# KiCad board Amber.kicad_pcb (continued)
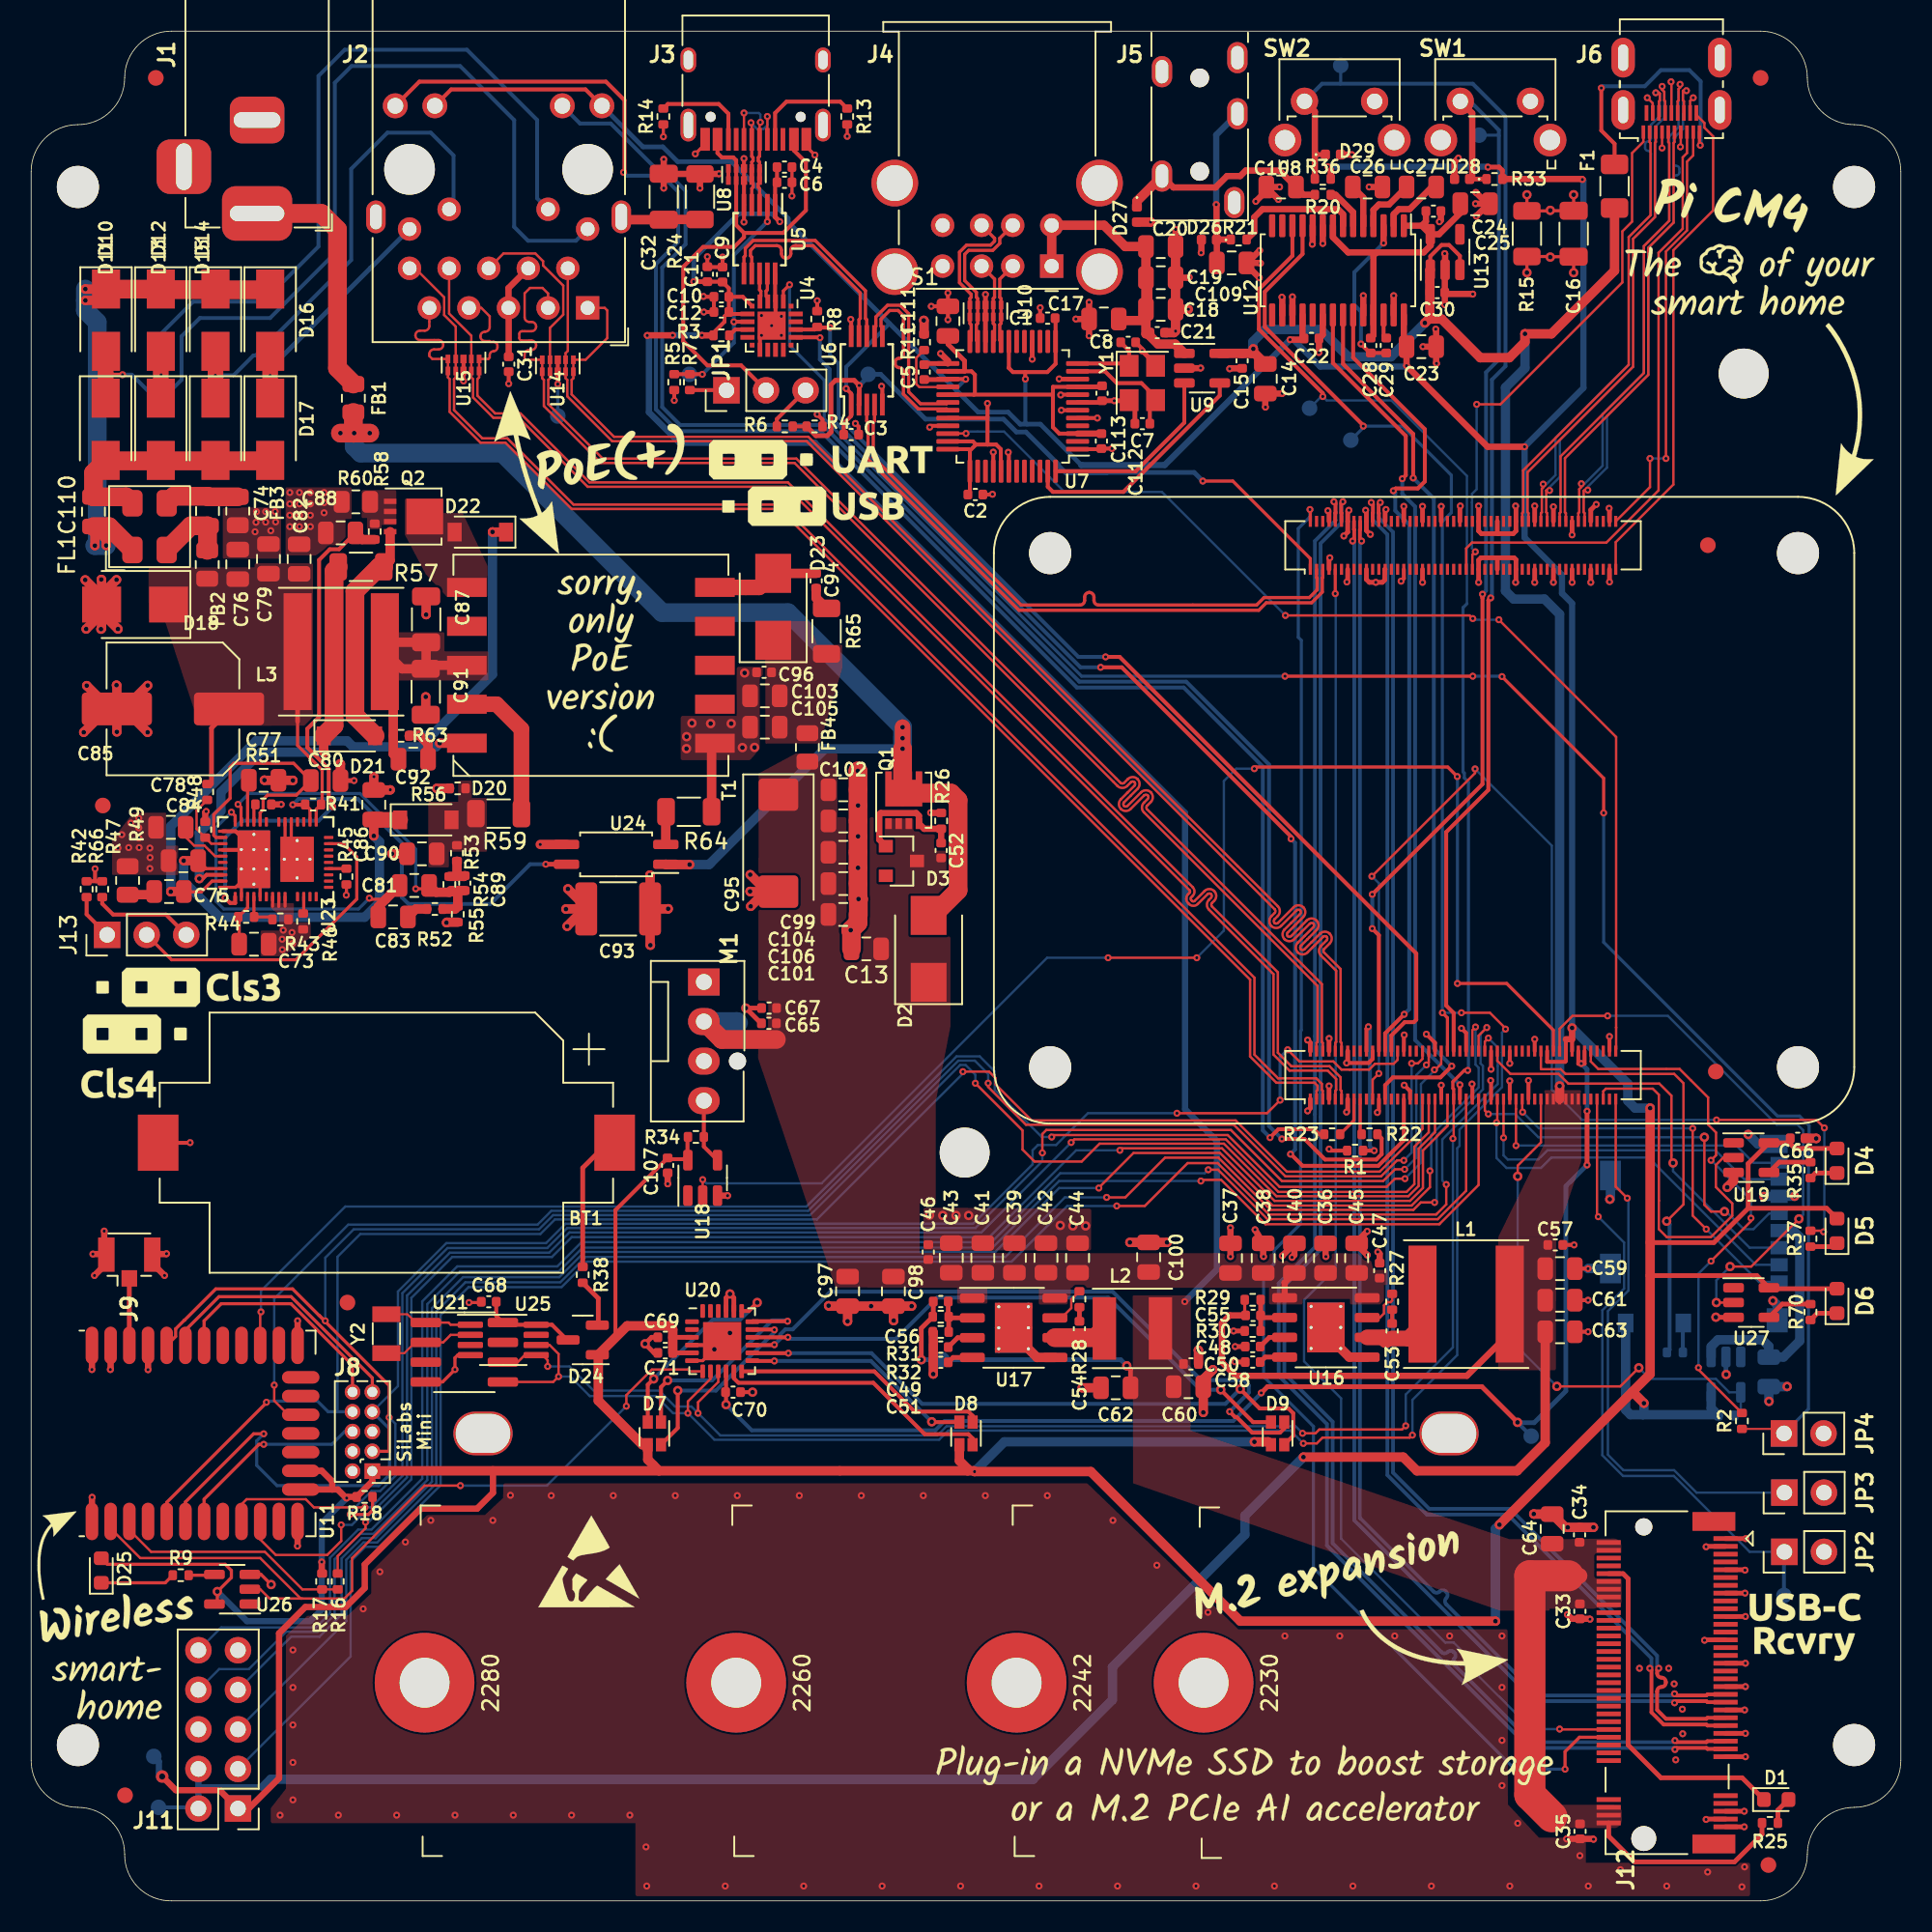
[diagram p0: board, top side]
## Library data of the parts
BT1 = -: Manufacturer: Keystone; PartNumber: 1060
C16 C32 C55 C56 J8 R1 R25 R34 R39 = -: Config: DNP
C22-C29 C108 C109 R20 R21 = -: Config: +Audio
C52 R26 = -: Config: -PoE
C65 C67 C107 = -: Config: +Fan
C66 R35 R37 R70 = -: Config: +RPiLED
C69-C71 = -: Config: +RGBLEDs
C72 R40 = -: Config: +SDCard
C73-C84 C86-C94 C96 C99 C101-C106 C110 R41-R49 R51-R59 R63-R66 = -: Config: +PoE
C85 = -: Config: +PoE; Manufacturer: Nichicon; PartNumber: UCD1K470MNL1GS
C95 = -: Config: +PoE; Manufacturer: KEMET; PartNumber: T491X107K025AT
D1 = -: Config: DNP; Manufacturer: Lite-On; PartNumber: LTST-C191TBKT
D2 D10-D18 D23 = -: Config: +PoE; Manufacturer: Diodes Incorporated
D3 = -: Config: -PoE; Manufacturer: ON Semiconductor
D4 = -: Config: +RPiLED; Manufacturer: Everlight Elec; PartNumber: 19-217/R6C-AL1M2VY/3T
D5 = -: Config: +RPiLED; Manufacturer: Everlight Elec; PartNumber: 19-217/GHC-YR1S2/3T
D6 = -: Config: +RPiLED; Manufacturer: Everlight Elec; PartNumber: 19-213/Y2C-CQ2R2L/3T(CY)
D7-D9 = -: Config: +RGBLEDs; Manufacturer: Lite-On; PartNumber: C19HE1WT
D20-D22 = -: Config: +PoE; Manufacturer: STMicroelectronics
D24 = -: Manufacturer: Diodes Incorporated
D25 = -: Config: +RadioLED; Manufacturer: Everlight Elec; PartNumber: 19-217/BHC-ZL1M2RY/3T
D26 D27 = -: Config: +Audio; Manufacturer: Texas Instruments; PartNumber: TPD1E10B09QDPYRQ1
D28 D29 = -: Manufacturer: Texas Instruments; PartNumber: TPD1E10B09QDPYRQ1
F1 = -: Config: +HDMI; Manufacturer: Bel Fuse; PartNumber: 0ZCJ0010FF2E
FB1 = -: Manufacturer: Würth Elektronik; PartNumber: 742792031
FB2-FB4 = -: Config: +PoE; Manufacturer: Würth Elektronik; PartNumber: 742792031
FL1 = -: Config: +PoE; Manufacturer: Murata Electronics; PartNumber: DLW5BTM102SQ2
J1 = -: Manufacturer: CUI Devices; PartNumber: PJ-002A
J2 = -: Manufacturer: LINK-PP; PartNumber: LPJG0926HENL
J3 = -: Manufacturer: HRO; PartNumber: TYPE-C-31-M-12
J4 = -: Manufacturer: Molex; PartNumber: 67298-4090
J5 = -: Config: +Audio; Manufacturer: XKB Connectivity; PartNumber: PJ-3270
J6 = -: Config: +HDMI; Manufacturer: Molex; PartNumber: 0467651301
J7 = -: Config: +SDCard; Manufacturer: Molex; PartNumber: 104031-0811
J9 = -: Config: DNP; Manufacturer: Linx Technologies; PartNumber: CONUFL001-SMD-T
J11 = -: Manufacturer: Adam Tech; PartNumber: PH2-10-UA
J12 = -: Manufacturer: TE; PartNumber: 1-2199119-5
J13 = -: Config: +PoE; Manufacturer: Adam Tech; PartNumber: PH1-03-UA
JP1 = -: Manufacturer: Adam Tech; PartNumber: PH1-03-UA
JP2 = -: Manufacturer: Adam Tech; PartNumber: PH1-02-UA
JP3 JP4 = -: Config: DNP; Manufacturer: Adam Tech; PartNumber: PH1-02-UA
L1 = -: Manufacturer: Taiyo Yuden; PartNumber: NRS8030T3R3MJGJ
L2 = -: Manufacturer: Taiyo Yuden; PartNumber: NRS5040T2R2NMGJ
L3 = -: Config: +PoE; Manufacturer: Taiyo Yuden; PartNumber: NRS8030T3R3MJGJ
M1 = -: Config: +Fan; Manufacturer: Molex; PartNumber: 47053-1000
Q1 = -: Config: -PoE; Manufacturer: Diodes Incorporated
Q2 = -: Config: +PoE; Manufacturer: Infineon Technologies
R9 = -: Config: +RadioLED
R60 = -: Characteristics: 0.1 Watt; Config: +PoE
SW1 = -: Manufacturer: C&K; PartNumber: PTS645VM83-2 LFS
SW2 = -: Manufacturer: C&K; PartNumber: PTS645VK58-2 LFS
T1 = -: Manufacturer: Pulse Electronics
U1 = -: Manufacturer: Raspberry Pi Foundation; PartNumber: CM4002016
U2 U3 = -: Manufacturer: Hirose Electric; PartNumber: DF40C-100DS-0.4V(51)
U4 = -: Manufacturer: Silicon Laboratories; PartNumber: CP2102N-A02-GQFN20
U5 U6 = -: Manufacturer: ON Semiconductor; PartNumber: FSUSB42MUXCT
U7 = -: Manufacturer: Terminus Tech
U8 U10 U14 U15 = -: Manufacturer: Texas Instruments; PartNumber: TPD4EUSB30DQAR
U9 = -: Manufacturer: Diodes Incorporated; PartNumber: AP2191WG-7
U11 = -: Manufacturer: Silicon Laboratories; PartNumber: MGM210PA32JIA2
U12 = -: Config: +Audio; Manufacturer: Texas Instruments; PartNumber: PCM5121PWR
U13 = -: Config: +Audio; Manufacturer: Texas Instruments
U16 U17 = -: Manufacturer: Rohm
U18 = -: Config: +Fan; Manufacturer: Texas Instruments; PartNumber: SN74LVC1G07DBV
U19 U27 = -: Config: +RPiLED; Manufacturer: Texas Instruments; PartNumber: SN74LVC1G07DBV
U20 = -: Config: +RGBLEDs; Manufacturer: Texas Instruments
U21 = -: Config: DNP; Manufacturer: NXP USA; PartNumber: PCF85063AT/AY
U22 = -: Config: +SDCard; Manufacturer: Richtek USA
U23 = -: Config: +PoE; Manufacturer: Texas Instruments; PartNumber: TPS23734RMTR
U24 = -: Config: +PoE; Manufacturer: Vishay Semiconductor Opto Division
U25 = -: Manufacturer: NXP USA; PartNumber: PCF85063ATT/AJ
U26 = -: Config: +RadioLED; Manufacturer: Texas Instruments; PartNumber: SN74LVC1G07DBV
Y1 = -: Manufacturer: Yangxing Tech; PartNumber: X322512MMB4SI
Y2 = -: Manufacturer: Yangxing Tech; PartNumber: X321532768KGD2SI

## Footprints (pads in the part's own frame, mm; a bottom-side part is the same pattern mirrored in y, then rotated)
BarrelJack_CUI_PJ-002A
  rrect 3.5x4.5 hole 1x3.5: 1(0,0)
  rrect 3x3.5 hole 1x3: 2(-6,0)
  rrect 3.5x3.5 hole 3x1: 3(-3,-4.7)
BatteryHolder_Keystone_1060_1x2032
  rect 2.6x3.6 smd: 1(-14.65,0) 2(14.65,0)
C_0402_1005Metric
  rrect 0.56x0.62 smd: 1(-0.48,0) 2(0.48,0)
C_0805_2012Metric
  rrect 1x1.45 smd: 1(-0.95,0) 2(0.95,0)
C_1206_3216Metric
  rrect 1.15x1.8 smd: 1(-1.475,0) 2(1.475,0)
C_1812_4532Metric
  rrect 1.4x3.4 smd: 1(-2.05,0) 2(2.05,0)
C_Elec_8x10.2
  rrect 4.5x2.1 smd: 1(-3.6,0) 2(3.6,0)
CP_EIA-7343-31_Kemet-D
  rrect 2.075x2.55 smd: 1(-3.112,0) 2(3.112,0)
Crystal_SMD_3215-2Pin_3.2x1.5mm
  rect 1x1.8 smd: 1(1.25,0) 2(-1.25,0)
Crystal_SMD_3225-4Pin_3.2x2.5mm
  rect 1.4x1.2 smd: 1(-1.1,-0.85) 2(1.1,-0.85) 3(1.1,0.85) 4(-1.1,0.85)
D_0402_1005Metric
  rrect 0.59x0.64 smd: 1(-0.485,0) 2(0.485,0)
D_SMA
  rect 2.5x1.8 smd: 1(-2,0) 2(2,0)
D_SMB
  rect 2.5x2.3 smd: 1(-2.15,0) 2(2.15,0)
D_SOD-123
  rect 0.9x1.2 smd: 1(-1.65,0) 2(1.65,0)
D_SOT-23_ANK
  rect 0.9x0.8 smd: (-1,-0.95) 1(1,0) 2(-1,0.95)
Diodes_PowerDI3333-8
  rect 0.6x1 smd: (0.02,0.565) (0.02,-0.565) (0.73,0.565) (0.73,-0.565)
  rect 0.7x0.42 smd: (1.5,0.975) (1.5,0.325) (1.5,-0.325) (1.5,-0.975) 1(-1.5,0.975) 2(-1.5,0.325) 3(-1.5,-0.325) 4(-1.5,-0.975)
  custom 2.25x2.37 smd: 5(0.455,0)
DrillSlot_Plated_3.5x2.5mm
  oval 3.8x2.8 hole 3.5x2.5: (0,0)
FanPinHeader_1x04_P2.54mm_Vertical
  round 1.1 hole 1.1 unplated: (5.08,2.16)
  rect 1.73x2.03 hole 1.02: 1(0,0)
  oval 1.73x2.03 hole 1.02: 2(2.54,0) 3(5.08,0) 4(7.62,0)
Fiducial_1mm_Mask2mm
  round 1 smd: (0,0)
Fuse_1206_3216Metric
  rrect 1.25x1.75 smd: 1(-1.4,0) 2(1.4,0)
HDMI_Micro-D_Molex_46765-1x01
  rect 0.23x0.85 smd: 1(1.8,4.775) 3(1.4,4.775) 5(1,4.775) 7(0.6,4.775) 9(0.2,4.775) 11(-0.2,4.775) 13(-0.6,4.775) 15(-1,4.775) 17(-1.4,4.775) 19(-1.8,4.775)
  rect 0.23x1 smd: 2(1.6,3.55) 4(1.2,3.55) 6(0.8,3.55) 8(0.4,3.55) 10(0,3.55) 12(-0.4,3.55) 14(-0.8,3.55) 16(-1.2,3.55) 18(-1.6,3.55)
  oval 1.5x2.55 hole 0.65x1.7: SH(-3.1,3.36) SH(-3.1,0) SH(3.1,3.36) SH(3.1,0)
Heatsink_56x56mm_2xFixation3.2mm
  round 3.2 hole 3.2 unplated: (-25,-25) (25,25)
HTSOP-8-1EP_3.9x4.9mm_P1.27mm_EP2.4x3.2mm_ThermalVias
  rrect 0.97x1.29 smd: (-0.6,0.8) (-0.6,-0.8) (0.6,0.8) (0.6,-0.8)
  rrect 1.6x0.6 smd: 1(-2.65,1.905) 2(-2.65,0.635) 3(-2.65,-0.635) 4(-2.65,-1.905) 5(2.65,-1.905) 6(2.65,-0.635) 7(2.65,0.635) 8(2.65,1.905)
  round 0.5 hole 0.2: 9(-0.95,1.35) 9(-0.95,0) 9(-0.95,-1.35) 9(0.95,1.35) 9(0.95,0) 9(0.95,-1.35)
  rect 2.4x3.2 smd: 9(0,0)
  rect 2.4x3.2 smd far side: 9(0,0)
Jack_3.5mm_XKB_PJ-3270_Horizontal
  round 1.2 hole 1.2 unplated: (0,-3) (0,-9)
  oval 1.3x2 hole 0.8x1.5: R1(2.42,-5.3) R2(2.42,-1.7) S(-2.42,-2.6) T(-2.42,-9.3) TN(2.22,-11)
L_CommonModeChoke_Murata_DLW5B
  rrect 1.7x1.3 smd: 1(-1.5,1.1) 2(-1.5,-1.1) 3(1.5,-1.1) 4(1.5,1.1)
L_Taiyo-Yuden_NR-50xx
  rect 1.5x4 smd: 1(-1.8,0) 2(1.8,0)
L_Taiyo-Yuden_NR-80xx
  rect 1.8x7.5 smd: 1(-2.8,0) 2(2.8,0)
LED_0603_1608Metric
  rrect 0.875x0.95 smd: 1(-0.787,0) 2(0.787,0)
LED_LiteOn_LTST-C19HE1WT
  rect 0.65x0.85 smd: 1(-0.425,0.725) 2(0.425,0.725) 3(0.425,-0.725) 4(-0.425,-0.725)
microSD_HC_Molex_104031-0811
  rect 0.85x1.1 smd: 1(-3.105,5.45) 2(-2.005,5.45) 3(-0.905,5.45) 4(0.195,5.45) 5(1.295,5.45) 6(2.395,5.45) 7(3.495,5.45)
  rect 0.75x1.1 smd: 8(4.545,5.45)
  rect 1.2x1 smd: 9(-5.74,-0.7) 10(-5.74,-4.4)
  rect 1.55x1.35 smd: 11(-5.565,5.325)
  rect 1.9x1.35 smd: 11(-2.24,-5.375) 11(3.73,-5.375)
  rect 1.17x1.8 smd: 11(5.755,5.1)
MountingHole_2.7mm_M2.5
  round 2.7 hole 2.7 unplated: (0,0)
MSOP-8_3x3mm_P0.65mm
  rrect 1.625x0.4 smd: 1(-2.112,0.975) 2(-2.112,0.325) 3(-2.112,-0.325) 4(-2.112,-0.975) 5(2.112,-0.975) 6(2.112,-0.325) 7(2.112,0.325) 8(2.112,0.975)
MSOP-10_3x3mm_P0.5mm
  rect 1.4x0.3 smd: 1(-2.2,1) 2(-2.2,0.5) 3(-2.2,0) 4(-2.2,-0.5) 5(-2.2,-1) 6(2.2,-1) 7(2.2,-0.5) 8(2.2,0) 9(2.2,0.5) 10(2.2,1)
PG-TSDSON-8
  rect 0.55x0.75 smd: (-0.035,0.575) (-0.035,-0.575) (0.815,0.575) (0.815,-0.575)
  rect 0.55x0.24 smd: (1.575,0.975) (1.575,0.325) (1.575,-0.325) (1.575,-0.975)
  rect 0.8x0.34 smd: 1(-1.5,0.975) 2(-1.5,0.325) 3(-1.5,-0.325) 4(-1.5,-0.975)
  rect 2.36x2.29 smd: 5(0.72,0)
PinHeader_1x02_P2.54mm_Vertical
  rect 1.7x1.7 hole 1: 1(0,0)
  oval 1.7x1.7 hole 1: 2(0,-2.54)
PinHeader_1x03_P2.54mm_Vertical
  rect 1.7x1.7 hole 1: 1(0,0)
  oval 1.7x1.7 hole 1: 2(0,-2.54) 3(0,-5.08)
PinHeader_2x05_P1.27mm_Vertical
  rect 1x1 hole 0.65: 1(0,0)
  oval 1x1 hole 0.65: 2(1.27,0) 3(0,-1.27) 4(1.27,-1.27) 5(0,-2.54) 6(1.27,-2.54) 7(0,-3.81) 8(1.27,-3.81) 9(0,-5.08) 10(1.27,-5.08)
PinHeader_2x05_P2.54mm_Vertical
  rect 1.7x1.7 hole 1: 1(0,0)
  oval 1.7x1.7 hole 1: 2(2.54,0) 3(0,-2.54) 4(2.54,-2.54) 5(0,-5.08) 6(2.54,-5.08) 7(0,-7.62) 8(2.54,-7.62) 9(0,-10.16) 10(2.54,-10.16)
R_0402_1005Metric
  rrect 0.54x0.64 smd: 1(-0.51,0) 2(0.51,0)
R_0805_2012Metric
  rrect 1.025x1.4 smd: 1(-0.912,0) 2(0.912,0)
R_1206_3216Metric
  rrect 1.125x1.75 smd: 1(-1.462,0) 2(1.462,0)
RaspberryPi-CM4
  round 6 hole 2.7 unplated: (-16.5,24) (-16.5,-24) (16.5,24) (16.5,-24)
  rect 0.7x0.2 smd: 1(-18.54,7.3) 2(-15.46,7.3) 3(-18.54,6.9) 4(-15.46,6.9) 5(-18.54,6.5) 6(-15.46,6.5) 7(-18.54,6.1) 8(-15.46,6.1) 9(-18.54,5.7) 10(-15.46,5.7) 11(-18.54,5.3) 12(-15.46,5.3) 13(-18.54,4.9) 14(-15.46,4.9) 15(-18.54,4.5) 16(-15.46,4.5) 17(-18.54,4.1) 18(-15.46,4.1) 19(-18.54,3.7) 20(-15.46,3.7) 21(-18.54,3.3) 22(-15.46,3.3) 23(-18.54,2.9) 24(-15.46,2.9) 25(-18.54,2.5) 26(-15.46,2.5) 27(-18.54,2.1) 28(-15.46,2.1) 29(-18.54,1.7) 30(-15.46,1.7) 31(-18.54,1.3) 32(-15.46,1.3) 33(-18.54,0.9) 34(-15.46,0.9) 35(-18.54,0.5) 36(-15.46,0.5) 37(-18.54,0.1) 38(-15.46,0.1) 39(-18.54,-0.3) 40(-15.46,-0.3) 41(-18.54,-0.7) 42(-15.46,-0.7) 43(-18.54,-1.1) 44(-15.46,-1.1) 45(-18.54,-1.5) 46(-15.46,-1.5) 47(-18.54,-1.9) 48(-15.46,-1.9) 49(-18.54,-2.3) 50(-15.46,-2.3) 51(-18.54,-2.7) 52(-15.46,-2.7) 53(-18.54,-3.1) 54(-15.46,-3.1) 55(-18.54,-3.5) 56(-15.46,-3.5) 57(-18.54,-3.9) 58(-15.46,-3.9) 59(-18.54,-4.3) 60(-15.46,-4.3) 61(-18.54,-4.7) 62(-15.46,-4.7) 63(-18.54,-5.1) 64(-15.46,-5.1) 65(-18.54,-5.5) 66(-15.46,-5.5) 67(-18.54,-5.9) 68(-15.46,-5.9) 69(-18.54,-6.3) 70(-15.46,-6.3) 71(-18.54,-6.7) 72(-15.46,-6.7) 73(-18.54,-7.1) 74(-15.46,-7.1) 75(-18.54,-7.5) 76(-15.46,-7.5) 77(-18.54,-7.9) 78(-15.46,-7.9) 79(-18.54,-8.3) 80(-15.46,-8.3) 81(-18.54,-8.7) 82(-15.46,-8.7) 83(-18.54,-9.1) 84(-15.46,-9.1) 85(-18.54,-9.5) 86(-15.46,-9.5) 87(-18.54,-9.9) 88(-15.46,-9.9) 89(-18.54,-10.3) 90(-15.46,-10.3) 91(-18.54,-10.7) 92(-15.46,-10.7) 93(-18.54,-11.1) 94(-15.46,-11.1) 95(-18.54,-11.5) 96(-15.46,-11.5) 97(-18.54,-11.9) 98(-15.46,-11.9) 99(-18.54,-12.3) 100(-15.46,-12.3) 101(15.46,7.3) 102(18.54,7.3) 103(15.46,6.9) 104(18.54,6.9) 105(15.46,6.5) 106(18.54,6.5) 107(15.46,6.1) 108(18.54,6.1) 109(15.46,5.7) 110(18.54,5.7) 111(15.46,5.3) 112(18.54,5.3) 113(15.46,4.9) 114(18.54,4.9) 115(15.46,4.5) 116(18.54,4.5) 117(15.46,4.1) 118(18.54,4.1) 119(15.46,3.7) 120(18.54,3.7) 121(15.46,3.3) 122(18.54,3.3) 123(15.46,2.9) 124(18.54,2.9) 125(15.46,2.5) 126(18.54,2.5) 127(15.46,2.1) 128(18.54,2.1) 129(15.46,1.7) 130(18.54,1.7) 131(15.46,1.3) 132(18.54,1.3) 133(15.46,0.9) 134(18.54,0.9) 135(15.46,0.5) 136(18.54,0.5) 137(15.46,0.1) 138(18.54,0.1) 139(15.46,-0.3) 140(18.54,-0.3) 141(15.46,-0.7) 142(18.54,-0.7) 143(15.46,-1.1) 144(18.54,-1.1) 145(15.46,-1.5) 146(18.54,-1.5) 147(15.46,-1.9) 148(18.54,-1.9) 149(15.46,-2.3) 150(18.54,-2.3) 151(15.46,-2.7) 152(18.54,-2.7) 153(15.46,-3.1) 154(18.54,-3.1) 155(15.46,-3.5) 156(18.54,-3.5) 157(15.46,-3.9) 158(18.54,-3.9) 159(15.46,-4.3) 160(18.54,-4.3) 161(15.46,-4.7) 162(18.54,-4.7) 163(15.46,-5.1) 164(18.54,-5.1) 165(15.46,-5.5) 166(18.54,-5.5) 167(15.46,-5.9) 168(18.54,-5.9) 169(15.46,-6.3) 170(18.54,-6.3) 171(15.46,-6.7) 172(18.54,-6.7) 173(15.46,-7.1) 174(18.54,-7.1) 175(15.46,-7.5) 176(18.54,-7.5) 177(15.46,-7.9) 178(18.54,-7.9) 179(15.46,-8.3) 180(18.54,-8.3) 181(15.46,-8.7) 182(18.54,-8.7) 183(15.46,-9.1) 184(18.54,-9.1) 185(15.46,-9.5) 186(18.54,-9.5) 187(15.46,-9.9) 188(18.54,-9.9) 189(15.46,-10.3) 190(18.54,-10.3) 191(15.46,-10.7) 192(18.54,-10.7) 193(15.46,-11.1) 194(18.54,-11.1) 195(15.46,-11.5) 196(18.54,-11.5) 197(15.46,-11.9) 198(18.54,-11.9) 199(15.46,-12.3) 200(18.54,-12.3)
RJ45_LINK-PP_LPJG0926HENL_Horizontal
  round 3.25 hole 3.25 unplated: (0,-8.89) (11.43,-8.89)
  rect 1.5x1.5 hole 0.9: 1(0,0)
  round 1.5 hole 0.9: 2(1.27,-2.54) 3(2.54,0) 4(3.81,-2.54) 5(5.08,0) 6(6.35,-2.54) 7(7.62,0) 8(8.89,-2.54) 9(10.16,0) 10(11.43,-2.54) 11(0,-5.06) 12(2.54,-6.33) 13(8.89,-6.33) 14(11.43,-5.06)
  round 1.6 hole 1.02: 15(-0.915,-12.97) 16(1.625,-12.97) 17(9.805,-12.97) 18(12.345,-12.97)
  oval 1.25x2.1 hole 0.75x1.7: SH(-2.16,-5.84)
  oval 1.25x2.1 hole 0.75x1.6: SH(13.59,-5.84)
SiliconLabs_MGM210P
  oval 2.4x0.8 smd: 1(-5.65,6.7) 2(-5.65,5.5) 3(-5.65,4.3) 4(-5.65,3.1) 5(-5.65,1.9) 6(-5.65,0.7) 7(-5.65,-0.5) 8(-5.65,-1.7) 9(-5.65,-2.9) 10(-5.65,-4.1) 11(-5.65,-5.3) 12(-5.65,-6.5) 20(5.65,-6.5) 21(5.65,-5.3) 22(5.65,-4.1) 23(5.65,-2.9) 24(5.65,-1.7) 25(5.65,-0.5) 26(5.65,0.7) 27(5.65,1.9) 28(5.65,3.1) 29(5.65,4.3) 30(5.65,5.5) 31(5.65,6.7)
  oval 0.8x2.4 smd: 13(-3.6,-6.7) 14(-2.4,-6.7) 15(-1.2,-6.7) 16(0,-6.7) 17(1.2,-6.7) 18(2.4,-6.7) 19(3.6,-6.7)
SiliconLabs_QFN-20-1EP_3x3mm_P0.5mm_EP1.8x1.8mm
  rect 0.54x0.54 smd: (-0.45,0.45) (-0.45,-0.45) (0.45,0.45) (0.45,-0.45)
  rect 0.3x0.3 smd: 1(-1.25,1.25) 6(-1.25,-1.25) 11(1.25,-1.25) 16(1.25,1.25)
  rect 0.9x0.3 smd: 2(-1.55,0.75) 3(-1.55,0.25) 4(-1.55,-0.25) 5(-1.55,-0.75) 12(1.55,-0.75) 13(1.55,-0.25) 14(1.55,0.25) 15(1.55,0.75)
  rect 0.3x0.9 smd: 7(-0.75,-1.55) 8(-0.25,-1.55) 9(0.25,-1.55) 10(0.75,-1.55) 17(0.75,1.55) 18(0.25,1.55) 19(-0.25,1.55) 20(-0.75,1.55)
  rect 1.8x1.8 smd: 21(0,0)
SOIC-8_3.9x4.9mm_P1.27mm
  rrect 1.95x0.6 smd: 1(-2.475,1.905) 2(-2.475,0.635) 3(-2.475,-0.635) 4(-2.475,-1.905) 5(2.475,-1.905) 6(2.475,-0.635) 7(2.475,0.635) 8(2.475,1.905)
SOP-4_4.4x2.6mm_P1.27mm
  rrect 1.625x0.6 smd: 1(-3.188,0.635) 2(-3.188,-0.635) 3(3.188,-0.635) 4(3.188,0.635)
SOT-23
  rrect 1.475x0.6 smd: 1(-0.938,0.95) 2(-0.938,-0.95) 3(0.938,0)
SOT-23-5
  rrect 1.325x0.6 smd: 1(-1.137,0.95) 2(-1.137,0) 3(-1.137,-0.95) 4(1.137,-0.95) 5(1.137,0.95)
SW_Tactile_SPST_Angled_PTS645Vx58-2LFS
  round 2.1 hole 1.3: (-1.25,-2.49) (5.76,-2.49)
  round 1.75 hole 0.99: 1(0,0) 2(4.5,0)
SW_Tactile_SPST_Angled_PTS645Vx83-2LFS
  round 2.1 hole 1.3: (-1.25,-2.49) (5.76,-2.49)
  round 1.75 hole 0.99: 1(0,0) 2(4.5,0)
TE_1-2199230-3_Bus_M.2_M_H4.2mm_P0.5mm_2280_Horizontal
  round 1.1 hole 1.1 unplated: (-10,-1.5)
  round 1.6 hole 1.6 unplated: (10,-1.5)
  rect 0.3x1.55 smd: 1(-9.25,3.75) 2(-9,-3.75) 3(-8.75,3.75) 4(-8.5,-3.75) 5(-8.25,3.75) 6(-8,-3.75) 7(-7.75,3.75) 8(-7.5,-3.75) 9(-7.25,3.75) 10(-7,-3.75) 11(-6.75,3.75) 12(-6.5,-3.75) 13(-6.25,3.75) 14(-6,-3.75) 15(-5.75,3.75) 16(-5.5,-3.75) 17(-5.25,3.75) 18(-5,-3.75) 19(-4.75,3.75) 20(-4.5,-3.75) 21(-4.25,3.75) 22(-4,-3.75) 23(-3.75,3.75) 24(-3.5,-3.75) 25(-3.25,3.75) 26(-3,-3.75) 27(-2.75,3.75) 28(-2.5,-3.75) 29(-2.25,3.75) 30(-2,-3.75) 31(-1.75,3.75) 32(-1.5,-3.75) 33(-1.25,3.75) 34(-1,-3.75) 35(-0.75,3.75) 36(-0.5,-3.75) 37(-0.25,3.75) 38(0,-3.75) 39(0.25,3.75) 40(0.5,-3.75) 41(0.75,3.75) 42(1,-3.75) 43(1.25,3.75) 44(1.5,-3.75) 45(1.75,3.75) 46(2,-3.75) 47(2.25,3.75) 48(2.5,-3.75) 49(2.75,3.75) 50(3,-3.75) 51(3.25,3.75) 52(3.5,-3.75) 53(3.75,3.75) 54(4,-3.75) 55(4.25,3.75) 56(4.5,-3.75) 57(4.75,3.75) 58(5,-3.75) 67(7.25,3.75) 68(7.5,-3.75) 69(7.75,3.75) 70(8,-3.75) 71(8.25,3.75) 72(8.5,-3.75) 73(8.75,3.75) 74(9,-3.75) 75(9.25,3.75)
  rect 1.2x2.75 smd: MP(-10.35,3) MP(10.35,3)
  round 6.4 hole 3.2: MP(0,-29.75) MP(0,-41.75) MP(0,-59.75) MP(0,-79.75)
TestPoint_Pad_D1.0mm
  round 1 smd: 1(0,0)
Texas_VQFN-47-2EP_5x7mm_P0.4mm_ThermalVias
  rrect 1.05x0.94 smd: (-1.25,1.97) (-1.25,0.83) (0,1.97) (0,0.83) (1.25,1.97) (1.25,0.83)
  rrect 1.27x0.96 smd: (-0.735,-0.795) (-0.735,-1.955) (0.735,-0.795) (0.735,-1.955)
  rrect 0.6x0.2 smd: 1(-2.4,2.6) 2(-2.4,2.2) 3(-2.4,1.8) 4(-2.4,1.4) 5(-2.4,1) 6(-2.4,0.6) 7(-2.4,0.2) 8(-2.4,-0.2) 9(-2.4,-0.6) 10(-2.4,-1.4) 11(-2.4,-1.8) 12(-2.4,-2.2) 13(-2.4,-2.6) 23(2.4,-2.6) 24(2.4,-2.2) 25(2.4,-1.8) 26(2.4,-1.4) 27(2.4,-1) 28(2.4,-0.6) 29(2.4,-0.2) 30(2.4,0.6) 31(2.4,1) 32(2.4,1.4) 33(2.4,1.8) 34(2.4,2.2) 35(2.4,2.6)
  rrect 0.2x0.6 smd: 14(-1.8,-3.4) 15(-1.4,-3.4) 16(-1,-3.4) 17(-0.6,-3.4) 18(-0.2,-3.4) 19(0.2,-3.4) 20(0.6,-3.4) 21(1,-3.4) 22(1.4,-3.4) 36(1.8,3.4) 37(1.4,3.4) 38(1,3.4) 39(0.6,3.4) 40(0.2,3.4) 41(-0.2,3.4) 42(-0.6,3.4) 43(-1,3.4) 44(-1.4,3.4) 45(-1.8,3.4)
  round 0.5 hole 0.2: 46(-1.6,1.4) 46(-0.625,2.205) 46(-0.625,1.4) 46(-0.625,0.595) 46(0.625,2.205) 46(0.625,1.4) 46(0.625,0.595) 46(1.6,1.4) 47(-1.2,-1.375) 47(0,-0.55) 47(0,-1.375) 47(0,-2.2) 47(1.2,-1.375)
  rrect 3.7x2.1 smd: 46(0,1.4)
  rrect 3.7x2.1 smd far side: 46(0,1.4)
  rrect 2.9x2.15 smd: 47(0,-1.375)
  rrect 2.9x2.15 smd far side: 47(0,-1.375)
TQFP-48_7x7mm_P0.5mm
  rrect 1.475x0.3 smd: 1(-4.162,2.75) 2(-4.162,2.25) 3(-4.162,1.75) 4(-4.162,1.25) 5(-4.162,0.75) 6(-4.162,0.25) 7(-4.162,-0.25) 8(-4.162,-0.75) 9(-4.162,-1.25) 10(-4.162,-1.75) 11(-4.162,-2.25) 12(-4.162,-2.75) 25(4.162,-2.75) 26(4.162,-2.25) 27(4.162,-1.75) 28(4.162,-1.25) 29(4.162,-0.75) 30(4.162,-0.25) 31(4.162,0.25) 32(4.162,0.75) 33(4.162,1.25) 34(4.162,1.75) 35(4.162,2.25) 36(4.162,2.75)
  rrect 0.3x1.475 smd: 13(-2.75,-4.162) 14(-2.25,-4.162) 15(-1.75,-4.162) 16(-1.25,-4.162) 17(-0.75,-4.162) 18(-0.25,-4.162) 19(0.25,-4.162) 20(0.75,-4.162) 21(1.25,-4.162) 22(1.75,-4.162) 23(2.25,-4.162) 24(2.75,-4.162) 37(2.75,4.162) 38(2.25,4.162) 39(1.75,4.162) 40(1.25,4.162) 41(0.75,4.162) 42(0.25,4.162) 43(-0.25,4.162) 44(-0.75,4.162) 45(-1.25,4.162) 46(-1.75,4.162) 47(-2.25,4.162) 48(-2.75,4.162)
Transformer_Pulse_PA2467NL
  rect 1.22x2.54 smd: 1(-5,7.96) 2(-2.5,7.96) 3(0,7.96) 4(2.5,7.96) 5(5,7.96) 6(5,-7.96) 7(2.5,-7.96) 8(0,-7.96) 9(-2.5,-7.96) 10(-5,-7.96)
TSSOP-28_4.4x9.7mm_P0.65mm
  rrect 1.475x0.4 smd: 1(-2.862,4.225) 2(-2.862,3.575) 3(-2.862,2.925) 4(-2.862,2.275) 5(-2.862,1.625) 6(-2.862,0.975) 7(-2.862,0.325) 8(-2.862,-0.325) 9(-2.862,-0.975) 10(-2.862,-1.625) 11(-2.862,-2.275) 12(-2.862,-2.925) 13(-2.862,-3.575) 14(-2.862,-4.225) 15(2.862,-4.225) 16(2.862,-3.575) 17(2.862,-2.925) 18(2.862,-2.275) 19(2.862,-1.625) 20(2.862,-0.975) 21(2.862,-0.325) 22(2.862,0.325) 23(2.862,0.975) 24(2.862,1.625) 25(2.862,2.275) 26(2.862,2.925) 27(2.862,3.575) 28(2.862,4.225)
U.FL_Hirose_U.FL-R-SMT-1_Vertical
  rect 1.05x1 smd: 1(-1.05,0)
  rect 2.2x1.05 smd: 2(0.475,1.475) 2(0.475,-1.475)
USB_A_Wuerth_61400826021_Horizontal_Stacked
  rect 1.5x1.5 hole 0.92: 1(0,0)
  round 1.5 hole 0.92: 2(2.5,0) 3(4.5,0) 4(7,0) 5(0,-2.62) 6(2.5,-2.62) 7(4.5,-2.62) 8(7,-2.62)
  round 3 hole 2.3: 9(-3.07,0.35) 9(-3.07,-5.33) 9(10.07,0.35) 9(10.07,-5.33)
USB_C_Receptacle_HRO_TYPE-C-31-M-12
  round 0.65 hole 0.65 unplated: (-2.89,2.6) (2.89,2.6)
  rect 0.6x1.45 smd: A1(-3.25,4.045) A4(-2.45,4.045) A9(2.45,4.045) A12(3.25,4.045) B1(3.25,4.045) B4(2.45,4.045) B9(-2.45,4.045) B12(-3.25,4.045)
  rect 0.3x1.45 smd: A5(-1.25,4.045) A6(-0.25,4.045) A7(0.25,4.045) A8(1.25,4.045) B5(1.75,4.045) B6(0.75,4.045) B7(-0.75,4.045) B8(-1.75,4.045)
  oval 1x2.1 hole 0.6x1.7: S1(-4.32,3.13) S1(4.32,3.13)
  oval 1x1.6 hole 0.6x1.2: S1(-4.32,-1.05) S1(4.32,-1.05)
USON-10_2.5x1.0mm_P0.5mm
  rect 0.55x0.3 smd: 1(-0.385,1) 2(-0.385,0.5) 4(-0.385,-0.5) 5(-0.385,-1) 6(0.385,-1) 7(0.385,-0.5) 9(0.385,0.5) 10(0.385,1)
  rect 0.55x0.4 smd: 3(-0.385,0) 8(0.385,0)
WQFN-24-1EP_4x4mm_P0.5mm_EP2.45x2.45mm
  rrect 0.99x0.99 smd: (-0.61,0.61) (-0.61,-0.61) (0.61,0.61) (0.61,-0.61)
  rrect 0.875x0.3 smd: 1(-1.938,1.25) 2(-1.938,0.75) 3(-1.938,0.25) 4(-1.938,-0.25) 5(-1.938,-0.75) 6(-1.938,-1.25) 13(1.938,-1.25) 14(1.938,-0.75) 15(1.938,-0.25) 16(1.938,0.25) 17(1.938,0.75) 18(1.938,1.25)
  rrect 0.3x0.875 smd: 7(-1.25,-1.938) 8(-0.75,-1.938) 9(-0.25,-1.938) 10(0.25,-1.938) 11(0.75,-1.938) 12(1.25,-1.938) 19(1.25,1.938) 20(0.75,1.938) 21(0.25,1.938) 22(-0.25,1.938) 23(-0.75,1.938) 24(-1.25,1.938)
  rect 2.45x2.45 smd: 25(0,0)

## Nets
+1V8: C70.1 TP7.1 U1.88 U1.90 U20.10
+3.3VA: C24.1 C25.1 C28.1 U12.1 U12.8 U12.25 U13.5
+3.3VP: C4.1 C6.1 C9.1 C10.1 C11.1 C12.1 C33.1 C34.1 C35.1 C56.1 C58.1 C60.1 C62.1 C64.1 J12.2 J12.4 J12.12 J12.14 J12.16 J12.18 J12.70 J12.72 J12.74 L2.2 R3.1 R25.1 R31.2 TP10.1 U4.6 U4.7 U5.1
+3V3: C1.1 C2.1 C3.1 C5.1 C22.1 C23.1 C66.1 C69.1 C71.1 C107.1 D4.2 D5.2 D6.2 D7.4 D8.4 D9.4 D24.1 D25.2 J2.15 J2.17 J7.10 J8.1 J11.1 R17.2 R18.2 R33.2 R34.2 R36.2 R40.1 TP6.1 U1.78 U1.84 U1.86 U6.1 U7.13 U7.19 U7.27 U7.32 U7.35 U7.36 U7.37 U7.41 U11.13 U11.14 U12.18 U12.28 U18.5 U19.5 U20.3 U20.5 U22.5 U26.5 U27.5
+5V: C14.2 C15.2 C30.1 C55.1 C57.1 C59.1 C61.1 C63.1 F1.1 J11.2 J11.4 L1.2 R29.2 TP9.1 U1.77 U1.79 U1.81 U1.83 U1.85 U1.87 U9.5 U13.1 U13.3
+12V: C13.1 C36.1 C37.1 C38.1 C39.1 C40.1 C41.1 C42.1 C43.1 C44.1 C45.1 C46.1 C47.1 C52.1 C65.1 C67.1 C95.1 C97.1 C98.1 C99.1 C100.1 C101.1 C102.1 C104.1 C106.1 D2.1 D3.1 FB4.2 M1.2 Q1.1 Q1.2 Q1.3 TP8.1 U16.1 U16.8 U17.1 U17.8
+48V: C76.1 C79.1 C82.1 C85.1 D18.1 FB2.2 L3.1 R41.1 R48.1 U23.23
/PoE/VCC: C84.1 C86.1 D20.1 U23.42
/USB/VBUS_{IN}: J3.A4 J3.A9 J3.B4 J3.B9 JP1.2 U8.4 U8.7
/USB/VBUS_{OUT}: C17.1 C18.1 C19.1 C20.1 C21.1 J4.1 J4.5 U9.1
GND: BT1.2 C1.2 C2.2 C3.2 C4.2 C5.2 C6.2 C7.2 C8.2 C9.2 C10.2 C11.2 C12.2 C13.2 C14.1 C15.1 C16.2 C17.2 C18.2 C19.2 C20.2 C21.2 C22.2 C23.2 C24.2 C25.2 C26.2 C28.2 C29.1 C30.2 C31.1 C32.2 C33.2 C34.2 C35.2 C36.2 C37.2 C38.2 C39.2 C40.2 C41.2 C42.2 C43.2 C44.2 C45.2 C46.2 C47.2 C48.2 C49.2 C50.2 C51.2 C57.2 C58.2 C59.2 C60.2 C61.2 C62.2 C63.2 C64.2 C65.2 C66.2 C67.2 C68.2 C69.2 C70.2 C71.2 C72.2 C93.2 C95.2 C96.2 C97.2 C98.2 C99.2 C100.2 C101.2 C102.2 C103.2 C104.2 C105.2 C106.2 C107.2 C108.1 C109.2 C111.1 C112.1 C113.1 D26.2 D27.2 D28.2 D29.2 J1.2 J3.A1 J3.A12 J3.B1 J3.B12 J4.4 J4.8 J5.R2 J5.S J6.4 J6.7 J6.10 J6.13 J6.16 J7.6 J7.11 J8.2 J9.2 J11.6 J11.9 J12.1 J12.3 J12.9 J12.15 J12.21 J12.27 J12.33 J12.39 J12.45 J12.51 J12.57 J12.71 J12.73 J12.75 JP2.2 JP3.2 JP4.2 M1.1 R1.1 R4.2 R5.2 R8.1 R11.1 R13.1 R14.1 R15.1 R24.1 R26.2 R30.1 R32.1 R64.2 SW1.2 SW2.2 T1.10 TP13.1 U1.1 U1.2 U1.7 U1.8 U1.13 U1.14 U1.22 U1.23 U1.32 U1.33 U1.42 U1.43 U1.52 U1.53 U1.59 U1.60 U1.65 U1.66 U1.71 U1.74 U1.98 U1.107 U1.108 U1.113 U1.114 U1.119 U1.120 U1.125 U1.126 U1.131 U1.132 U1.137 U1.138 U1.144 U1.150 U1.155 U1.156 U1.161 U1.162 U1.167 U1.168 U1.173 U1.174 U1.179 U1.180 U1.185 U1.186 U1.191 U1.192 U1.197 U1.198 U4.3 U4.12 U4.21 U5.5 U5.10 U6.5 U6.10 U7.1 U7.5 U7.6 U7.7 U7.8 U7.10 U7.16 U7.22 U7.25 U7.33 U7.40 U7.42 U8.3 U8.8 U9.2 U10.3 U10.8 U11.1 U11.12 U11.20 U11.28 U11.30 U11.31 U12.3 U12.9 U12.10 U12.16 U12.17 U12.20 U12.24 U12.27 U13.2 U14.3 U14.8 U15.3 U15.8 U16.5 U16.9 U17.5 U17.9 U18.3 U19.3 U20.4 U20.6 U20.20 U20.21 U20.25 U21.4 U22.2 U25.4 U26.3 U27.3 Y1.2 Y1.4
GND1: C73.2 C77.1 C78.2 C80.2 C82.2 C84.2 C85.2 C86.2 C87.2 C88.2 C90.2 C91.2 C93.1 R43.1 R46.1 R47.2 R49.2 R51.2 R55.2 R56.2 R60.2 U23.2 U23.5 U23.7 U23.8 U23.9 U23.36 U23.39 U23.45 U23.46
GNDS: C76.2 C79.2 D18.2 FB3.2 R42.1 R45.1 R66.1 U23.27 U23.28 U23.47 U24.3
/802.15.4 Radio/PB00: R16.2 R17.1 U11.3
/802.15.4 Radio/PTI_DATA: J8.10 U11.25
/802.15.4 Radio/PTI_FRAME: J8.9 U11.26
/802.15.4 Radio/Radio.CTS: U1.44 U11.22
/802.15.4 Radio/Radio.RTS: U1.38 U11.17
/802.15.4 Radio/Radio.RXD: U1.40 U11.9
/802.15.4 Radio/Radio.SWCLK: J8.8 U1.37 U11.5
/802.15.4 Radio/Radio.SWDIO: J8.7 U1.30 U11.6
/802.15.4 Radio/Radio.SWO: J8.6 U11.7
/802.15.4 Radio/Radio.TXD: U1.39 U11.10
/802.15.4 Radio/Radio.~{BOOT}: R16.1 U1.45
/802.15.4 Radio/Radio.~{RESET}: J8.3 R18.1 U1.41 U11.27
/802.15.4 Radio/RF_SIGNAL: J9.1 U11.29
/802.15.4 Radio/~{LED_RADIO}: U11.2 U20.7 U26.2
/Audio/I2S.CLK: U1.49 U12.21
/Audio/I2S.DIN: U1.25 U12.22
/Audio/I2S.FS: U1.26 U12.23
/CM4/CM4_DBG.RX: R8.2 U1.28 U4.18
/CM4/CM4_DBG.TX: U1.31 U4.17
/CM4/CM4_USB_D+: U1.105 U6.3
/CM4/CM4_USB_D-: U1.103 U6.4
/CM4/CM4_USB_OTG_ID: R4.1 R6.2 TP3.1 U1.101 U6.2
/CM4/ETH.LED_GREEN: R22.1 U1.17
/CM4/ETH.LED_YELLOW: R23.1 U1.15
/CM4/ETH.TD1+: J2.1 U1.12 U14.1 U14.10
/CM4/ETH.TD1-: J2.2 U1.10 U14.2 U14.9
/CM4/ETH.TD2+: J2.3 U1.4 U14.5 U14.6
/CM4/ETH.TD2-: J2.6 U1.6 U14.4 U14.7
/CM4/ETH.TD3+: J2.7 U1.11 U15.1 U15.10
/CM4/ETH.TD3-: J2.8 U1.9 U15.2 U15.9
/CM4/ETH.TD4+: J2.9 U1.3 U15.5 U15.6
/CM4/ETH.TD4-: J2.10 U1.5 U15.4 U15.7
/CM4/GLOBAL_EN: JP3.1 U1.99
/CM4/GPIO2: J11.3 U1.58
/CM4/GPIO3: J11.5 U1.56
/CM4/GPIO4: J11.7 U1.54
/CM4/GPIO14: J11.8 U1.55
/CM4/GPIO15: J11.10 U1.51
/CM4/HDMI.CEC: J6.15 U1.151
/CM4/HDMI.CLK+: J6.12 U1.188
/CM4/HDMI.CLK-: J6.14 U1.190
/CM4/HDMI.D0+: J6.9 U1.182
/CM4/HDMI.D0-: J6.11 U1.184
/CM4/HDMI.D1+: J6.6 U1.176
/CM4/HDMI.D1-: J6.8 U1.178
/CM4/HDMI.D2+: J6.3 U1.170
/CM4/HDMI.D2-: J6.5 U1.172
/CM4/HDMI.HPD: J6.1 U1.153
/CM4/HDMI.SCL: J6.17 U1.200
/CM4/HDMI.SDA: J6.18 U1.199
/CM4/PCIe.CLK+: J12.55 U1.110
/CM4/PCIe.CLK-: J12.53 U1.112
/CM4/PCIe.RX+: J12.43 U1.116
/CM4/PCIe.RX-: J12.41 U1.118
/CM4/PCIe.TX+: J12.49 U1.122
/CM4/PCIe.TX-: J12.47 U1.124
/CM4/PCIe.~{CLKREQ}: J12.52 U1.102
/CM4/PCIe.~{RST}: J12.50 U1.109
/CM4/RESET_CM4: JP4.1 R2.2 U4.2
/CM4/RUN_PG: R2.1 U1.92
/CM4/SD.CLK: J7.5 U1.57
/CM4/SD.CMD: J7.3 U1.62
/CM4/SD.D0: J7.7 U1.63
/CM4/SD.D1: J7.8 U1.67
/CM4/SD.D2: J7.1 U1.69
/CM4/SD.D3: J7.2 U1.61
/CM4/SD.DET: R39.2 U1.76
/CM4/SD.PWR: R40.2 U1.75 U22.4
/CM4/~{EXTRST}: U1.100 U7.34
/CM4/~{FAN_PWM}: U1.80 U18.2
/CM4/~{LED_ACT}: R37.2 U1.21
/CM4/~{LED_AMBER}: U1.82 U27.2
/CM4/~{LED_PWR}: U1.95 U19.2
/CM4/~{RPI_BOOT}: JP2.1 TP1.1 U1.93
/CM4/~{SW_USER}: D28.1 R33.1 SW1.1 TP4.1 U1.24
/CM4/~{SW_WIPE}: D29.1 R36.1 SW2.1 TP5.1 U1.48
/Ethernet/ETH_SHLD: C32.1 J2.SH R24.2
/Ethernet/VC1: D10.2 D11.1 J2.11
/Ethernet/VC2: D12.2 D13.1 J2.12
/Ethernet/VC3: D14.2 D15.1 J2.13
/Ethernet/VC4: D16.2 D17.1 J2.14
/PoE/CLS: J13.2 U23.21
/PoE/COMP: C81.2 C83.2 U23.35
/PoE/CP: C75.1 T1.1 U23.44
/PoE/CS: C88.1 R58.1 U23.1
/PoE/DEN: R41.2 U23.24 U24.4
/PoE/DTHR: C73.1 R44.1 U23.3
/PoE/FB: C81.1 C89.2 R52.1 R54.2 R55.1 U23.34
/PoE/LINEUV: R48.2 R49.1 U23.38
/PoE/N1A: D22.2 Q2.5 T1.5
/PoE/N1B: C87.1 C91.1 C92.2 L3.2 R63.1 T1.3
/PoE/V_{REG}: C90.1 D20.2 R53.1 R56.1 R59.1
/PoE/VB: C80.1 U23.31 U23.37
/Power/DC_IN_F: D2.2 FB1.2 Q1.5 U24.1
/SCL: TP11.1 U1.47 U12.12 U20.9 U21.6 U25.5
/SDA: TP12.1 U1.46 U12.11 U20.8 U21.5 U25.6
/SDCard/SD_+3V3: C72.1 J7.4 U22.1
/USB/CP.D+: U4.4 U5.9
/USB/CP.D-: U4.5 U5.8
/USB/HUB.D+: U6.7 U7.30
/USB/HUB.D-: U6.6 U7.31
/USB/MUX2_SEL: R5.1 R7.2 TP2.1 U4.8 U5.2
/USB/OTG.D+: U5.7 U6.9
/USB/OTG.D-: U5.6 U6.8
/USB/USB0.D+: J4.3 U7.21 U10.4 U10.7
/USB/USB0.D-: J4.2 U7.20 U10.5 U10.6
/USB/USB1.D+: J4.7 U7.24 U10.1 U10.10
/USB/USB1.D-: J4.6 U7.23 U10.2 U10.9
/USB/USB-C.D+: J3.A6 J3.B6 U5.3 U8.1 U8.10
/USB/USB-C.D-: J3.A7 J3.B7 U5.4 U8.2 U8.9
/USB/USB_PWR_EN: U7.47 U9.4
/USB/~{USB_OC}: U7.48 U9.3
Earth: C16.1 J3.S1 J4.9 J6.SH R15.2
VD18: C111.2 C112.2 C113.2 U7.3 U7.9 U7.26 U7.29
Net-(BT1-Pad1): BT1.1 R38.2
Net-(C7-Pad1): C7.1 U7.11 Y1.3
Net-(C8-Pad1): C8.1 U7.12 Y1.1
Net-(C26-Pad1): C26.1 U12.5
Net-(C27-Pad1): C27.1 U12.2
Net-(C27-Pad2): C27.2 U12.4
Net-(C29-Pad2): C29.2 U12.26
Net-(C31-Pad2): C31.2 J2.4 J2.5
Net-(C48-Pad1): C48.1 U16.3
Net-(C49-Pad1): C49.1 U17.3
Net-(C50-Pad1): C50.1 U16.4
Net-(C51-Pad1): C51.1 U17.4
Net-(C52-Pad2): C52.2 D3.2 Q1.4 R26.1
Net-(C53-Pad1): C53.1 L1.1 U16.6
Net-(C53-Pad2): C53.2 R27.2
Net-(C54-Pad1): C54.1 L2.1 U17.6
Net-(C54-Pad2): C54.2 R28.2
Net-(C55-Pad2): C55.2 R29.1 R30.2 U16.2
Net-(C56-Pad2): C56.2 R31.1 R32.2 U17.2
Net-(C68-Pad1): C68.1 D24.3 U21.8 U25.8
Net-(C74-Pad1): C74.1 FB2.1 FL1.2
Net-(C74-Pad2): C74.2 FB3.1 FL1.3
Net-(C75-Pad2): C75.2 R47.1
Net-(C77-Pad2): C77.2 U23.33
Net-(C78-Pad1): C78.1 U23.40
Net-(C83-Pad1): C83.1 R52.2
Net-(C89-Pad1): C89.1 R53.2 R54.1
Net-(C92-Pad1): C92.1 D22.1 R63.2
Net-(C94-Pad1): C94.1 D23.2 T1.6
Net-(C94-Pad2): C94.2 R65.1
Net-(C103-Pad1): C96.1 C103.1 C105.1 D23.1 FB4.1 R65.2
Net-(C108-Pad2): C108.2 D27.1 J5.T R20.2
Net-(C109-Pad1): C109.1 D26.1 J5.R1 R21.2
Net-(C110-Pad1): C110.1 D10.1 D12.1 D14.1 D16.1 FL1.1
Net-(C110-Pad2): C110.2 D11.2 D13.2 D15.2 D17.2 FL1.4
Net-(D1-Pad1): D1.1 J12.10
Net-(D1-Pad2): D1.2 R25.2
Net-(D4-Pad1): D4.1 R35.1
Net-(D5-Pad1): D5.1 R37.1
Net-(D6-Pad1): D6.1 R70.1
Net-(D7-Pad1): D7.1 U20.19
Net-(D7-Pad2): D7.2 U20.18
Net-(D7-Pad3): D7.3 U20.17
Net-(D8-Pad1): D8.1 U20.13
Net-(D8-Pad2): D8.2 U20.12
Net-(D8-Pad3): D8.3 U20.11
Net-(D9-Pad1): D9.1 U20.16
Net-(D9-Pad2): D9.2 U20.15
Net-(D9-Pad3): D9.3 U20.14
Net-(D21-Pad1): D21.1 R57.1 U23.43
Net-(D21-Pad2): D21.2 Q2.4 R57.2
Net-(D24-Pad2): D24.2 R38.1
Net-(D25-Pad1): D25.1 R9.1
Net-(F1-Pad2): F1.2 J6.19
Net-(FB1-Pad1): FB1.1 J1.1
Net-(J2-Pad16): J2.16 R22.2
Net-(J2-Pad18): J2.18 R23.2
Net-(J3-PadA5): J3.A5 R13.2
Net-(J3-PadB5): J3.B5 R14.2
Net-(J7-Pad9): J7.9 R39.1
Net-(J13-Pad1): J13.1 R42.2
Net-(J13-Pad3): J13.3 R66.2
Net-(JP1-Pad1): JP1.1 R7.1
Net-(JP1-Pad3): JP1.3 R6.1
Net-(M1-Pad4): M1.4 R34.1 U18.4
Net-(Q2-Pad1): Q2.1 Q2.2 Q2.3 R58.2 R60.1
Net-(R1-Pad2): R1.2 U1.20
Net-(R3-Pad2): R3.2 U4.9
Net-(R9-Pad2): R9.2 U26.4
Net-(R11-Pad2): R11.2 U7.28
Net-(R20-Pad1): R20.1 U12.6
Net-(R21-Pad1): R21.1 U12.7
Net-(R27-Pad1): R27.1 U16.7
Net-(R28-Pad1): R28.1 U17.7
Net-(R35-Pad2): R35.2 U19.4
Net-(R43-Pad2): R43.2 R44.2 U23.4
Net-(R45-Pad2): R45.2 U23.17
Net-(R46-Pad2): R46.2 U23.11
Net-(R51-Pad1): R51.1 U23.32
Net-(R59-Pad2): R59.2 T1.2
Net-(R64-Pad1): R64.1 U24.2
Net-(R70-Pad2): R70.2 U27.4
Net-(U21-Pad1): U21.1 U25.1 Y2.1
Net-(U21-Pad2): U21.2 U25.2 Y2.2

Pads without a net: J1 3; J3 A8 B8; J5 TN; J6 2; J8 4 5; J12 5 6 7 8 11 13 17 19 20 22 23 24 25 26 28 29 30 31 32 34 35 36 37 38 40 42 44 46 48 54 56 58 67 68 69 MP; M1 3; T1 4 7 8 9; U1 16 18 19 27 29 34 35 36 50 64 68 70 72 73 89 91 94 96 97 104 106 111 115 117 121 123 127 128 129 130 133 134 135 136 139 140 141 142 143 145 146 147 148 149 152 154 157 158 159 160 163 164 165 166 169 171 175 177 181 183 187 189 193 194 195 196; U4 1 10 11 13 14 15 16 19 20; U7 2 4 14 15 17 18 38 39 43 44 45 46; U8 5 6; U11 4 8 11 15 16 18 19 21 23 24; U12 13 14 15 19; U13 4; U18 1; U19 1; U20 1 2 22 23 24; U21 3 7; U22 3; U23 6 10 12 13 14 15 16 18 19 20 22 25 26 29 30 41; U25 3 7; U26 1; U27 1

## Via types
v1: diameter 0.6, hole 0.3, Top to Bottom, 141 vias
v2: diameter 0.45, hole 0.2, Top to Bottom, 501 vias
v3: diameter 0.8, hole 0.4, Top to Bottom, 1 via

## Routing (per net, layer and track width the routed paths; a pad name or vN(x,y) marks a point on that pad's centre or on a via; arc(x,y) is an arc through that point)
+1V8: length 84.7
  Top w0.25: U1.90 99.7,53.72 99.3,53.72 U1.88 ; v1(44.6,31.85) 44.6,32.62 C70.1 44.6,32.68 U20.10
  Top w0.3: v1(95.4,30.71) 93.11,33 79.35,33 v2(78.95,32.6) ; v2(99.86,47.23) v2(99.86,50.68)
  Bottom w0.25: v1(44.6,31.85) 46.25,30.2 58.03,30.2 58.63,30.8 75,30.8 75,30.8 77.15,30.8 v2(78.95,32.6) ; TP7.1 95.44,30.66 95.44,30.69
  Bottom w0.3: v2(99.49,53.74) 99.86,53.37 v2(99.86,50.68) ; v2(99.86,47.23) 98.5,45.87 98.5,32.72 96.47,30.69 95.44,30.69 ; v1(95.4,30.71) 95.42,30.71 95.44,30.69 ; 95.44,30.69 95.42,30.7 95.4,30.7
+3.3VA: length 20
  Top w0.4: C24.1 89.52,107.78 89.25,107.51 ; 86.35,105.8 89.38,105.8 89.83,106.25 89.8,106.28 U13.5 ; 86.35,105.8 86.15,105.6 U12.25 86.15,100.48 C28.1 ; 86.35,105.8 84.53,105.8 83.55,106.78 U12.8 ; U13.5 90.36,106.96 91.72,108.33 C25.1 ; U13.5 89.25,107.51 ; 89.25,107.51 U12.1
+3.3VP: length 159.3
  Top w0.25: C11.1 44.36,103.92 C9.1 44.78,103.5 C10.1 ; C4.1 C6.1 47.75,110.18 U5.1 ; R3.1 43.79,100.64 44.5,101.35 44.5,101.69 C12.1 ; C10.1 45.67,102.95 U4.6 ; C10.1 C12.1 ; C12.1 44.91,101.85 U4.7
  Top w0.3: v2(42.53,103.92) 43.39,103.92 C11.1 ; U5.1 47.75,108.08 v2(48.05,107.78) ; v1(57.13,34.73) 57.13,36.75 R31.2 57.9,37.52 C56.1 ; R25.1 111.09,4.27 109.32,2.5 102.9,2.5 101.25,4.15 J12.74 ; C62.1 70.56,34.1 v1(70.32,34.34)
  Top w0.4: v2(39.54,100.47) 39.55,100.48 v2(41.17,100.48) ; v2(43.05,100.48) 43.06,100.47 R3.1
  Top w1: 98.66,20.86 99.38,20.86
  Top w2: 97.6,5.4 96.19,6.81 96.19,20.86 98.66,20.86
  Bottom w0.3: v1(70.32,34.34) 69.93,34.73 v1(57.13,34.73) ; v2(42.53,103.92) 42.53,105.39 45.41,108.28 47.55,108.28 v2(48.05,107.78)
  Bottom w0.4: v2(43.05,100.48) v2(41.17,100.48) ; v2(39.54,100.47) 39.65,100.36 39.65,95.54 41.61,93.58 50.31,93.58 74.06,69.83 74.06,50.81 76.1,48.77 76.1,40.52 v2(74.04,38.46)
